# Altium PCB TIK_PCB.PcbDoc (part 1 of 2) (continued)
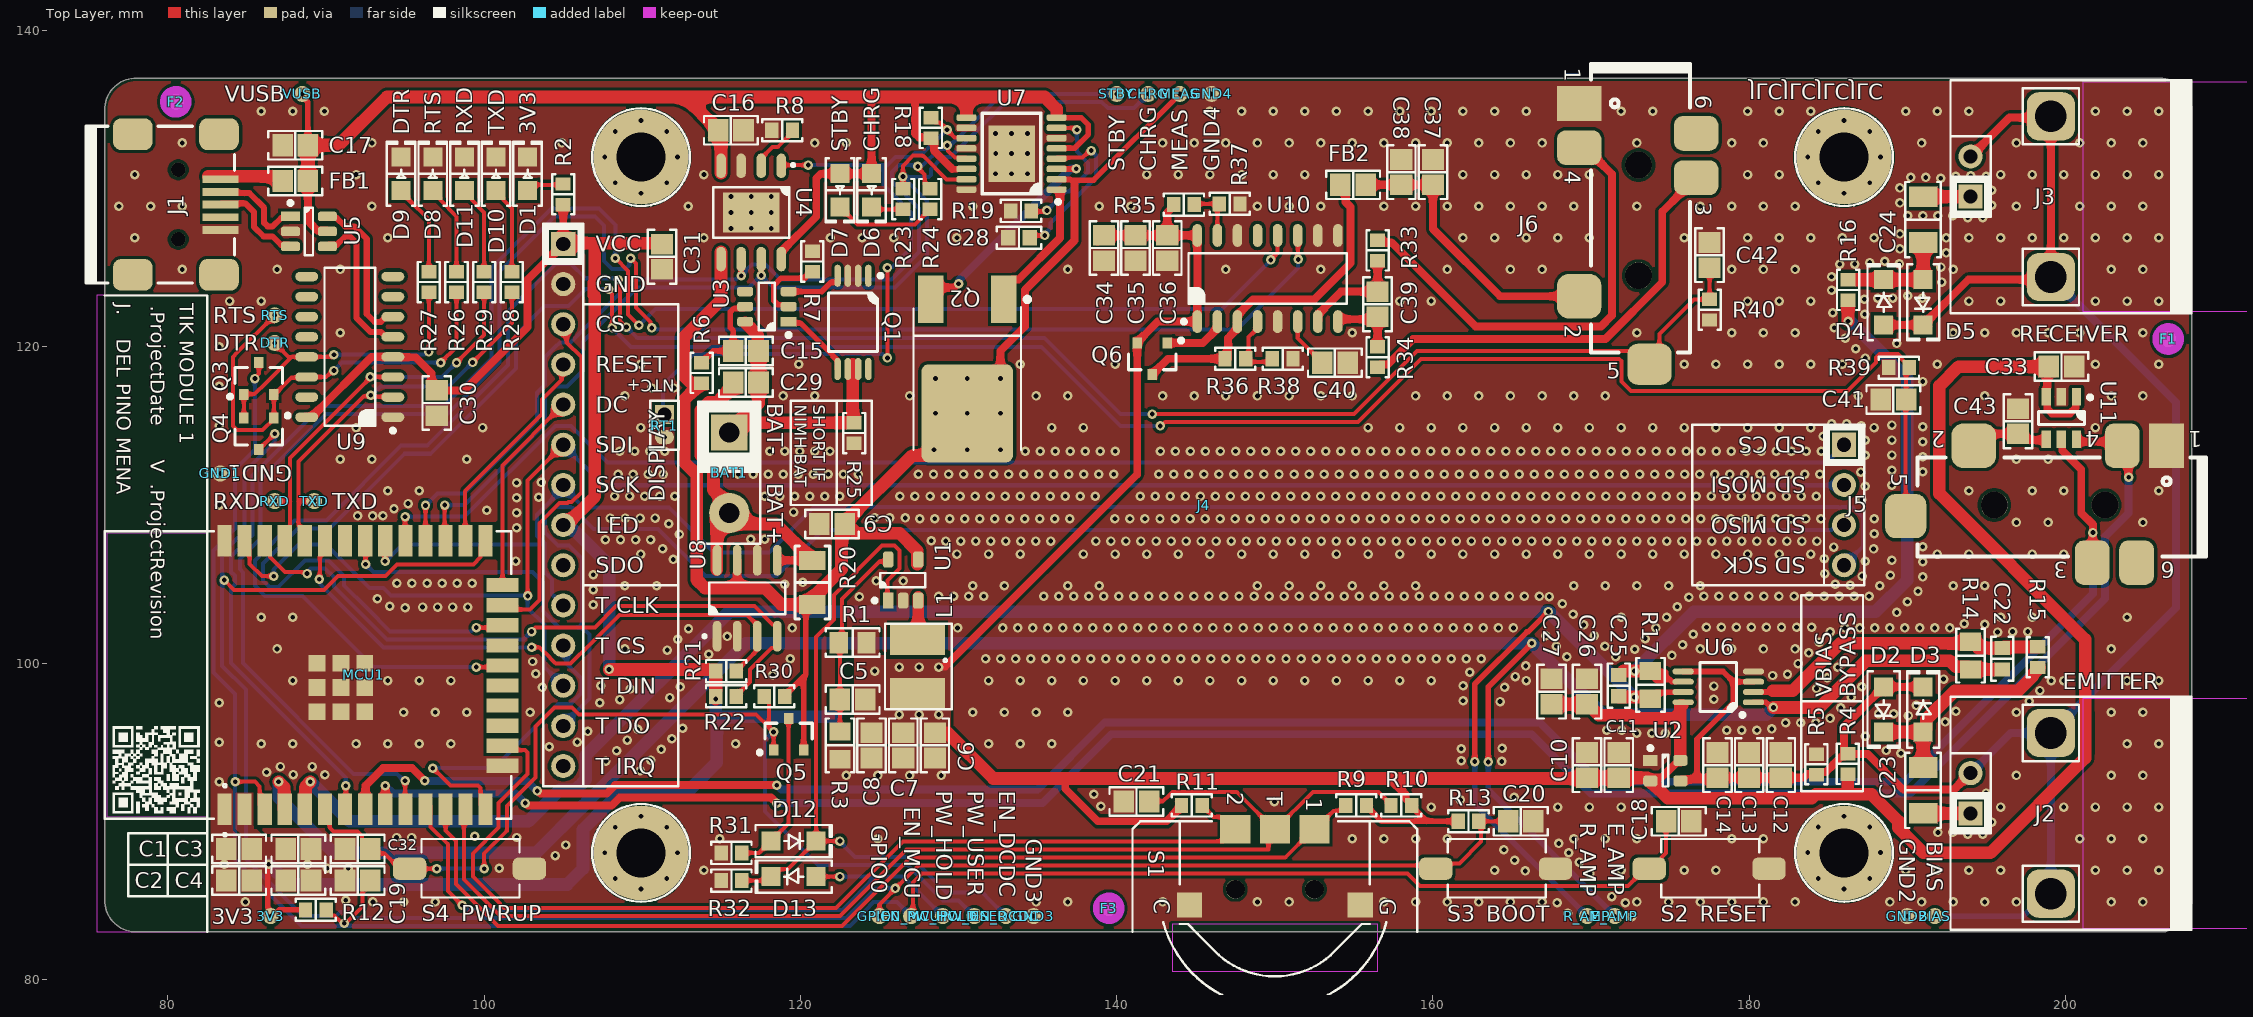
[diagram p0: Top Layer view]
## Components (designator, comment, footprint, x,y, rotation, side; value= is the part's Value field where it differs from the comment) (continued)
TXD "Test Point Pad dual sided" "TEST POINT PAD" 89.25,110.25 r180 top
U1 "AP3429_A" "SOT-23-5 AP3429" 126.5,105.25 r90 top
U2 "IC NCP562SQ18T1G LDO" "SC70-5 LT SC82-AB NCP562" 174.7,93.2 r0 top value="1.8V 80mA"
U3 "DW01A" "SOT-23-6 DW01A" 117.875,122.55 r180 top
U4 "TP4056" "SOIC-8-D0008A TP4056" 116.885,128.5 r270 top
U5 "IC USBLC6-2SC6 ESD Prot" "SOT-23-6L USBLC6-2SC6" 88.918,127.3 r0 top
U6 "IC LMV358DGKR OpAmp" "VSSOP-8 DGK (MSOP-8) LMV358" 178.05,98.5 r180 top
U7 "IC LTC4060EFE Bat NiMH charger" "TSSOP-16 LTC4060EFE" 133.35,132.225 r180 top
U8 "INA219" "SOIC-8-D0008A INA219D" 116.635,104.1 r90 top
U9 "CH340C" "SSOP-16 150mil CH340C" 91.5,120 r180 top
U10 "IC HX711 load cell amp" "SOP-16 L HX711" 149.545,124.325 r90 top
U11 "IC TPD3S014 Current switch" "TSOT-23-6 TPD3S014TDBVRQ1" 199.75,115.5 r270 top
VUSB "Test Point Pad dual sided" "TEST POINT PAD" 88.5,136 r0 top

## Footprints (in the part's own frame and the unit in brackets; to place one, negate y for a bottom-side part, rotate by r counter-clockwise, add the part's x,y. Pads: shape width x height; smd on the part's side, far side on the other; paste and mask are expansions set on the pad)
BATTERY_PADS [mil]
  rect 90x90 hole 50 mask+5: 1(0,0)
  round 100 hole 50 mask+5: 2(200,0)
  silkscreen extent -77,-79 277,77
"BNC RIGHT ANGLE" [mil] "BNC JACK RIGHT ANGLE PCB MOUNT ZINC DIE CAST"
  rect 60x60 hole 35: 1(100,0)
  round 60 hole 35: 2(0,0)
  rrect50% 120x120 hole 79: 3(-100,200) 4(300,200)
  Keep-Out Layer region: -185.05,279.53 385.82,279.53 385.82,1350 -185.05,1350
  silkscreen extent -190,-50 390,550, body extent -184,-47 384,1347, height 515
"BUTTON GENERIC" [mm] "SMD Push Buttom Tact"
  rrect50% 1.4x2.1 smd: 1(3.277,7.62) 2(3.277,0.051)
  silkscreen extent 1.4,0.8 5.1,7, body extent 1.48,-0.11 5.08,7.89, height 2.5
"CAP 0603_1608" [mm] "Chip Capacitor, 2-Leads, Body 1.60x0.80mm, IPC Medium Density"
  rect 0.9x1 smd: 1(-0.675,0) 2(0.675,0)
  silkscreen extent -1.4,-0.7 1.4,0.7, body extent -0.8,-0.41 0.8,0.41, height 0.82
"CAP 0805_2012" [mm] "Chip Capacitor, 2-Leads, Body 2.00x1.20mm, IPC Medium Density"
  rect 1.3x1.4 smd: 1(-0.8,0) 2(0.8,0)
  silkscreen extent -1.7,-0.9 1.7,0.9, body extent -1,-0.64 1,0.64, height 1.26
"CAP 1206_3216" [mm] "Chip Capacitor, 2-Leads, Body 3.25x1.60mm, IPC Medium Density"
  rect 1.3x1.8 smd: 1(-1.45,0) 2(1.45,0)
  silkscreen extent -2.37,-1.12 2.37,1.12, body extent -1.6,-0.8 1.6,0.8, height 1
"DPAK TO-252 MJD210" [mm]
  rect 1.6x3 smd: 1(0,0) 3(4.6,0)
  rrect15% 5.8x6.2 smd: 4(2.3,7.2)
  silkscreen extent -1.65,-0.15 5.7,9.5, body extent -1.07,-0.6 5.67,9.5, height 2.37
"FCI USB Type B Mini 10033526-N3212LF" [mm] "USB 2.0 Type B Mini"
  rect 0.5x2.25 smd: 1(1.6,-3.826) 2(0.8,-3.826) 3(0,-3.826) 4(-0.8,-3.826) 5(-1.6,-3.826)
  round 0.9 hole 0.9 unplated: M(-2.2,-1.151) M(2.2,-1.151)
  rrect50% 2x2.5 smd: SH(-4.45,-3.731) SH(-4.45,1.719) SH(4.45,-3.731) SH(4.45,1.719)
  silkscreen extent -4.95,-4.71 4.95,4.69, body extent -4.95,-4.7 4.95,4.7, height 4.01
"FER 0805_2012" [mm] "Chip Ferrite, 2-Leads, Body 2.00x1.20mm, IPC Medium Density"
  rect 1.3x1.4 smd: 1(-0.8,0) 2(0.8,0)
  silkscreen extent -1.7,-0.9 1.7,0.9, body extent -1,-0.64 1,0.64, height 1.26
FIDUCIAL_1MM_2MM [mm]
  round 1 smd mask+0.5: 1(0,0)
  Top Layer keep-out circle w1: c0,0 r0.5
"ILI9341 2.8\" TFT LCD + SD CARD" [mil]
  rect 60x60 hole 35: 1(0,0) 18(-500,-3188.98)
  round 60 hole 35: 2(-100,0) 3(-200,0) 4(-300,0) 5(-400,0) 6(-500,0) 7(-600,0) 8(-700,0) 9(-800,0) 10(-900,0) 11(-1000,0) 12(-1100,0) 13(-1200,0) 14(-1300,0) 15(-800,-3188.98) 16(-700,-3188.98) 17(-600,-3188.98)
  round 236.22 hole 122.05 paste+0 mask+0: MH1(-1516.14,-193.7) MH2(-1516.14,-3188.98) MH3(216.14,-3188.98) MH4(216.14,-193.7)
  silkscreen extent -1638,-3311 338,52, body extent -1638,-3309 338,73, height 494
"Inductor 4x4mm" [mm] "NR4018T2R2M Taiyo Yuden"
  rect 3.5x2 smd: 1(0,0) 2(0,3.425)
  silkscreen extent -2.17,-1 2.05,4.43, body extent -2.05,-0.25 1.95,3.75, height 1.8
JACK_6_CONN_CUI_DEVICES_SJ-43516-SMT [mm]
  rect 2.2x2.8 smd: 1(0,0)
  rrect50% 2.8x2.8 smd: 2(12.2,0)
  rrect50% 2.2x2.8 smd: 3(4.7,7.4) 4(2.8,0) 6(1.9,7.4)
  rrect50% 2.6x2.8 smd: 5(16.5,4.45)
  round 1.7 hole 1.7 unplated: MH(3.9,3.75) MH(10.9,3.75)
  silkscreen extent -2.5,0.75 15.75,7, body extent -2.3,-0.7 16.9,8.3, height 5.1
"LED 0805_2012 GREEN" [mm] "Chip Diode, 2-Leads, Body 2.00x1.25mm, IPC Medium Density"
  rect 1.2x1.2 smd: 1(-1.05,0) 2(1.05,0)
  silkscreen extent -2.03,-0.9 2.03,0.9, body extent -1,-0.62 1,0.63, height 0.9
"LED 0805_2012 RED" [mm] "Chip Diode, 2-Leads, Body 2.00x1.25mm, IPC Medium Density"
  rect 1.2x1.2 smd: 1(-1.05,0) 2(1.05,0)
  silkscreen extent -2.03,-0.9 2.03,0.9, body extent -1,-0.62 1,0.63, height 0.9
MODULE_ESP32-WROOM-32 [mm]
  rect 2x0.9 smd: 1(0,0.121) 2(0,-1.149) 3(0,-2.419) 4(0,-3.689) 5(0,-4.959) 6(0,-6.229) 7(0,-7.504) 8(0,-8.779) 9(0,-10.049) 10(0,-11.319) 11(0,-12.589) 12(0,-13.859) 13(0,-15.124) 14(0,-16.389) 25(17,-16.389) 26(17,-15.124) 27(17,-13.859) 28(17,-12.589) 29(17,-11.319) 30(17,-10.049) 31(17,-8.779) 32(17,-7.504) 33(17,-6.229) 34(17,-4.959) 35(17,-3.689) 36(17,-2.419) 37(17,-1.149) 38(17,0.121)
  rect 0.9x2 smd: 15(2.756,-17.46) 16(4.026,-17.46) 17(5.296,-17.46) 18(6.566,-17.46) 19(7.836,-17.46) 20(9.101,-17.46) 21(10.371,-17.46) 22(11.646,-17.46) 23(12.916,-17.46) 24(14.186,-17.46)
  rect 1.05x1.05 smd: 39(6.175,-5.725) 39(6.175,-8.755) 39(6.175,-7.244) 39(7.711,-8.755) 39(7.711,-7.244) 39(7.711,-5.725) 39(9.235,-8.755) 39(9.235,-7.244) 39(9.235,-5.725)
  Keep-Out Layer region: 17.5,1.24 -0.5,1.24 -0.5,7.54 17.5,7.54
  Keep-Out Layer region: 17.5,1.24 -0.5,1.24 -0.5,7.54 17.5,7.54
  silkscreen extent -1.7,-18 17.6,7.7, body extent -0.53,-17.89 17.47,7.61, height 2.91
"NTC THT VER" [mm] "NTC Thermistor, 2-Leads, Body 1.60x0.80mm, IPC Medium Density"
  rect 1.2x1.2 hole 0.9 mask+0.127: 1(-0.711,0)
  oval 0.9x1.2 hole 0.3 mask+0.127: 2(0.711,0)
  silkscreen extent -1.6,-0.9 1.5,0.9
"RES 0603_1608" [mm] "Chip Resistor, 2-Leads, Body 1.60x0.80mm, IPC Medium Density"
  rect 0.85x0.95 smd: 1(-0.65,0) 2(0.65,0)
  silkscreen extent -1.27,-0.7 1.27,0.7, body extent -0.8,-0.4 0.8,0.4, height 0.45
"RES 0805_2012" [mm] "Chip Resistor, 2-Leads, Body 2.00x1.25mm, IPC Medium Density"
  rect 1.15x1.35 smd: 1(-0.875,0) 2(0.875,0)
  silkscreen extent -1.7,-0.9 1.7,0.9, body extent -1,-0.62 1,0.63, height 0.6
"RES 1206_3216" [mm] "Chip Resistor, 2-Leads, Body 3.13x1.55mm, IPC Medium Density"
  rect 1.2x1.65 smd: 1(-1.4,0) 2(1.4,0)
  silkscreen extent -2.3,-1.1 2.3,1.1, body extent -1.6,-0.8 1.6,0.8, height 0.6
"SC70-5 LT SC82-AB NCP562" [mm] "SC70, SC82-AB, 4-Leads, Body 2.03x2.10mm, Pitch 0.65mm, IPC Medium Density"
  rect 0.9x0.7 smd: 1(-0.95,0.65)
  rrect50% 0.9x0.7 smd: 2(-0.95,-0.65) 3(0.95,-0.65) 4(0.95,0.65)
  silkscreen extent -1.07,-1 0.18,1.55, body extent -0.92,-1.03 0.93,0.97, height 1.1
"SOD123F 1N4148W" [mm] "SODFL, 2-Leads, Body 1.60x3.50mm, IPC Medium Density"
  rect 1.2x1.2 smd: 1(-1.43,0) 2(1.43,0)
  silkscreen extent -2.41,-1.02 2.41,1.02, body extent -1.75,-0.8 1.75,0.8, height 1.1
"SOIC-8-D0008A INA219D" [mm] "Package SOIC-8, 8-Leades, 4.90 x 3.89 mm Body , Pitch 1.27 mm"
  oval 1.95x0.55 smd: 1(-2.4,1.905) 2(-2.4,0.635) 3(-2.4,-0.635) 4(-2.4,-1.905) 5(2.4,-1.905) 6(2.4,-0.635) 7(2.4,0.635) 8(2.4,1.905)
  silkscreen extent -2.5,-2.4 1,2.8, body extent -3,-2.45 3,2.45, height 1.75
"SOIC-8-D0008A TP4056" [mm] "Package SOIC-8, 8-Leades, 4.90 x 3.89 mm Body , Pitch 1.27 mm"
  oval 1.55x0.6 smd: 1(-2.95,1.905) 2(-2.95,0.635) 3(-2.95,-0.635) 4(-2.95,-1.905) 5(2.95,-1.905) 6(2.95,-0.635) 7(2.95,0.635) 8(2.95,1.905)
  rect 2.54x3.56 smd: 3(0,0)
  silkscreen extent -3.1,-2.4 1.6,2.75, body extent -3,-2.45 3,2.45, height 1.75
"SOP-16 L HX711" [mm] "SOP, 16-Leads, Body 9.90x3.90mm, Pitch 1.27mm, IPC Medium Density"
  oval 1.45x0.6 smd: 1(-2.725,4.445) 2(-2.725,3.175) 3(-2.725,1.905) 4(-2.725,0.635) 5(-2.725,-0.635) 6(-2.725,-1.905) 7(-2.725,-3.175) 8(-2.725,-4.445) 9(2.725,-4.445) 10(2.725,-3.175) 11(2.725,-1.905) 12(2.725,-0.635) 13(2.725,0.635) 14(2.725,1.905) 15(2.725,3.175) 16(2.725,4.445)
  silkscreen extent -2.85,-5 1.6,5.42, body extent -3,-5 3,5, height 1.75
"SOT-23-3 TO-236AB 2N7002" [mm] "SOT23, 3-Leads, Body 2.90x2.40mm, Pitch 0.95mm, IPC Medium Density"
  rect 0.7x0.6 smd: 1(-1,0.95) 2(-1,-0.95) 3(1,0)
  silkscreen extent -1.27,-1.5 0.7,1.95, body extent -1.16,-1.45 1.16,1.45, height 1.5
"SOT-23-3 TO-236AB BC858" [mm] "SOT23, 3-Leads, Body 2.90x2.40mm, Pitch 0.95mm, IPC Medium Density"
  rect 0.7x0.6 smd: 1(-1,0.95) 2(-1,-0.95) 3(1,0)
  silkscreen extent -1.27,-1.5 0.7,1.95, body extent -1.16,-1.45 1.16,1.45, height 1.5
"SOT-23-5 AP3429" [mil] "SOT23, 5-Leads, Body 3.00x2.85mm, Pitch 0.95mm, IPC Medium Density"
  rect 40x26 smd: 1(-51.18,37.4)
  rrect50% 40x26 smd: 2(-51.18,0) 3(-51.18,-37.4) 4(51.18,-37.4) 5(51.18,37.4)
  silkscreen extent -56,-55 18,76, body extent -59,-61 59,61, height 57
"SOT-23-6 DW01A" [mm] "SOT23, 6-Leads, Body 2.90x2.80mm, Pitch 0.95mm, IPC Medium Density"
  rect 1x0.6 smd: 1(-1.375,0.95)
  rrect50% 1x0.6 smd: 2(-1.375,0) 3(-1.375,-0.95) 4(1.375,-0.95) 5(1.375,0) 6(1.375,0.95)
  silkscreen extent -1.5,-1.5 0.5,1.92, body extent -1.41,-1.45 1.41,1.45, height 1.45
"SOT-23-6L USBLC6-2SC6" [mm] "SOT23, 6-Leads, Body 2.90x2.80mm, Pitch 0.95mm, IPC Medium Density"
  rect 1.2x0.6 smd: 1(-1.168,0.95)
  rrect50% 1.2x0.6 smd: 2(-1.168,0) 3(-1.168,-0.95) 4(1.168,-0.95) 5(1.168,0) 6(1.168,0.95)
  silkscreen extent -1.3,-1.5 0.25,1.92, body extent -1.41,-1.45 1.41,1.45, height 1.45
"SSOP-16 150mil CH340C" [mm] "SOP, 16-Leads, Body 9.90x3.90mm, Pitch 1.27mm, IPC Medium Density"
  oval 1.45x0.6 smd: 1(-2.725,4.445) 2(-2.725,3.175) 3(-2.725,1.905) 4(-2.725,0.635) 5(-2.725,-0.635) 6(-2.725,-1.905) 7(-2.725,-3.175) 8(-2.725,-4.445) 9(2.725,-4.445) 10(2.725,-3.175) 11(2.725,-1.905) 12(2.725,-0.635) 13(2.725,0.635) 14(2.725,1.905) 15(2.725,3.175) 16(2.725,4.445)
  silkscreen extent -2.85,-5 1.6,5.42, body extent -3,-5 3,5, height 1.75
"SWITCH THUMB MULTIDIRECTION K1-1502SA-01" [mm] "SWITCH THUMB MULTIDIRECTION K1-1502SA-01"
  rect 1.8x1.9 smd: 1(0,2.5) 2(0,-2.5) T(0,0)
  rect 1.6x1.6 smd: C(4.8,-5.4) G(4.8,5.4)
  round 1.2 hole 1.2 unplated: MHSW1(3.8,2.5) MHSW2(3.8,-2.5)
  silkscreen extent -0.5,-7.05 11.3,7.05, body extent -0.5,-8.7 11.34,8.75, height 3.05
"TEST POINT PAD" [mil]
  round 40 hole 11.8: 1(0,0)
"TSOT-23-6 TPD3S014TDBVRQ1" [mm] "TSOT23, 6-Leads, Body 2.90x2.80mm, Pitch 0.95mm, IPC High Density"
  rrect1% 1.1x0.6 smd: 1(-1.35,0.95) 2(-1.35,0) 3(-1.35,-0.95) 4(1.35,-0.95) 5(1.35,0) 6(1.35,0.95)
  silkscreen extent -1.43,-1.45 0.4,1.94, body extent -1.4,-1.45 1.4,1.45, height 1.1
"TSSOP-8 FS8205A" [mm] "TSSOP, 8-Leads, Body 3.00x4.40mm, Pitch 0.65mm, IPC Medium Density"
  oval 1.4x0.406 smd: 1(-2.95,0.975) 2(-2.95,0.325) 3(-2.95,-0.325) 4(-2.95,-0.975) 5(2.95,-0.975) 6(2.95,-0.325) 7(2.95,0.325) 8(2.95,0.975)
  silkscreen extent -3.07,-1.55 1.85,1.88, body extent -3.21,-1.5 3.21,1.5, height 1.2
"TSSOP-16 LTC4060EFE" [mm] "TSOP, 16-Leads, Body 5.00x4.40mm, Pitch 0.65mm, Thermal Pad"
  rrect50% 1.25x0.41 smd: 1(-2.85,2.275) 2(-2.85,1.625) 3(-2.85,0.975) 4(-2.85,0.325) 5(-2.85,-0.325) 6(-2.85,-0.975) 7(-2.85,-1.625) 8(-2.85,-2.275) 9(2.85,-2.275) 10(2.85,-1.625) 11(2.85,-0.975) 12(2.85,-0.325) 13(2.85,0.325) 14(2.85,0.975) 15(2.85,1.625) 16(2.85,2.275)
  rect 2.94x3.58 smd: 16(0,0)
  silkscreen extent -3.08,-2.65 1.95,3.17, body extent -3.2,-2.5 3.2,2.5, height 1.2
"VSSOP-8 DGK (MSOP-8) LMV358" [mm] "TSOP, 8-Leads, Body 3.00x3.00mm, Pitch 0.65mm, IPC Medium Density"
  oval 1.35x0.375 smd: 1(-2.225,0.975) 2(-2.225,0.325) 3(-2.225,-0.325) 4(-2.225,-0.975) 5(2.225,-0.975) 6(2.225,-0.325) 7(2.225,0.325) 8(2.225,0.975)
  silkscreen extent -1.65,-1.55 1.15,1.9, body extent -2.45,-1.5 2.45,1.5, height 1.1

## Part data
3V3 BIAS CHRG DTR E_AMP EN_DCDC EN_MCU GND1 GND2 GND3 GND4 GPIO0 MEAS PW_HOLD PW_USER R_AMP RTS RXD STBY TXD VUSB: "Test point - PCB Pad dual sided"
BAT1: "Generic 2-Pad battery connector"
C1 C14 C34: library part Cap_cer_0805_47pF_5%, "Ceramic cap size 0805", Tolerance="5% 10V", PackageDescription=0805
  C1: FabGroup=Microcontroller, FabOrder=1
  C14: FabGroup="LDO Regulator & LDO bypass", FabOrder=12
C2 C8 C13 C15 C17 C18 C20 C21 C27 C30 C31 C32 C33 C35 C37 C39 C40 C41 C42: library part Cap_cer_0805_100nF_10%, "Ceramic cap size 0805", Tolerance="10% 25V", PackageDescription=0805
  C2: FabGroup=Microcontroller, FabOrder=1
  C8: FabGroup="DCDC converter", FabOrder=2
  C13: FabGroup="LDO Regulator & LDO bypass", FabOrder=12
  C15: FabGroup="Charger for Li-Ion", FabOrder=4
  C17: FabGroup="USB Port", FabOrder=2
  C18: FabGroup="Buttons - Reset", FabOrder=11
  C20: FabGroup="Buttons - Boot", FabOrder=10
  C21: FabGroup="Buttons - Multipurpose", FabOrder=9
  C27: FabGroup="Signal conditioning", FabOrder=13
  C30: FabGroup="USB to UART & Programming", FabOrder=3
  C31: FabGroup="LCD TFT Display", FabOrder=15
  C32: FabGroup="Buttons - Powerup button", FabOrder=3
C3 C16 C26 C29 C36 C38: library part Cap_cer_0805_10uF_10%, "Ceramic cap size 0805", Tolerance="10% 25V", PackageDescription=0805
  C3: FabGroup=Microcontroller, FabOrder=1
  C16: FabGroup="Charger for Li-Ion", FabOrder=4
  C26: FabGroup="Signal conditioning", FabOrder=13
  C29: FabGroup=Battery, FabOrder=7
C4 C6 C7 C9 C12 C43: library part Cap_cer_0805_22uF_20%, "Ceramic cap size 0805 CC0805MKX5R6BB226 Yageo MLCC 22uF 10V 20% X5R", Tolerance="20% 10V", PackageDescription=0805
  C6 C7 C9: FabGroup="DCDC converter", FabOrder=2
  C12: FabGroup="LDO Regulator & LDO bypass", FabOrder=12
C5: library part Cap_cer_0805_27pF_5%, "Ceramic cap size 0805", Tolerance="5% 10V", FabGroup="DCDC converter", FabOrder=2, PackageDescription=0805
C10 C11 C19: library part Cap_cer_0805_1uF_10%, "Ceramic cap size 0805", Tolerance="10% 25V", PackageDescription=0805
  C10 C11: FabGroup="LDO Regulator & LDO bypass", FabOrder=12
  C19: FabGroup="Buttons - Reset", FabOrder=11
C22 C25 C28: "Ceramic cap size 0805", Tolerance="5% 10V"
  C22: PackageDescription=0603
  C25: PackageDescription=0805
  C28: FabGroup="Charger for Ni-MH", FabOrder=6, PackageDescription=0603
C23 C24: library part Cap_cer_1206_100nF_100V_10%, "Ceramic cap size 1206 C1206C104K1RACTU", Tolerance="10% 100V", PackageDescription=1206, Type=X7R
D1 D6 D8 D10: "Low power LED color Green", PackageDescription=0805, Type=GREEN
  D1: FabGroup="DCDC converter", FabOrder=2
  D6: FabGroup="Charging status", FabOrder=5
  D8 D10: FabGroup="USB to UART & Programming", FabOrder=3
D2 D3 D4 D5 D12 D13: "SURFACE MOUNT FAST SWITCHING DIODE", ForwardVoltage=Vt=0.7V, ReverseVoltage=Vr=100V, PackageDescription=SOD123, Part=1N4148W, Type="Rectifier, General purpose"
  D2 D3 D4 D5: FabGroup="Signal conditioning", FabOrder=13
  D12 D13: FabGroup="Buttons - Powerup button", FabOrder=3
D7 D9 D11: "Low power LED color Red", PackageDescription=0805, Type=RED
  D7: FabGroup="Charging status", FabOrder=5
  D9 D11: FabGroup="USB to UART & Programming", FabOrder=3
F1 F2 F3: "Fiducial 1mm pad, 2mm solder resist"
FB1 FB2: "0805, 60Ω, 3A, 25% SMT", Desc="60R @ 100MHz", PackageDescription=0805, Part=2508056007Y3
J1: library part "CON USB-MINI-B Female", "USB-MINI-B Female, Manufacturer PN/ID: 10033526-N3212LF", FabGroup="USB Port", FabOrder=2, PackageDescription="USB-Mini-B, F", Part=10033526-N3212LF
J2 J3: library part "CON BNC Female Socket", "BNC coaxial female connector", Type="BNC Female right angle"
J4: library part "MOD ILI9341 TFT LCD + SD CARD READER", "ILI9341 TFT LCD Jumper pin headers., plus SD card reader pins", FabGroup="LCD TFT Display", FabOrder=15, PackageDescription="100 mil pitch", Part="ILI9341 TFT LCD & SD card reader", Type="PCB Pin headers: F, 1x14 & 1x4"
J5 J6: "3.5mm Jack 4-pole with normally closed switches", Part="CUI devices SJ-43516-SMT"
  J5: Desc="3.5mm Jack 4-pole with normally closed switches"
  J6: PackageDescription="3.5mm Jack 4-pole with normally closed switches"
L1: "Shielded Power Inductor 2.2 uH 20% 2.2 A 50.4 mohms 3.11 A (sat) 60MHz  / 4018: 4x4x1.8mm", Tolerance="20% 2.2A", FabGroup="DCDC converter", FabOrder=2, PackageDescription=4x4x1.8mm, Part=NR4018T2R2M
MCU1: "- Transceiver; 802.11 b/g/n _Wi-Fi, WiFi, WLAN_, Bluetooth Smart Ready 4.x Dual Mode For Use With ESP-WROOM-32", Package=None, Availability=Unavailable, FabGroup=Microcontroller, FabOrder=1, MF="Espressif Systems", MP=ESP32-WROOM-32D, Part=ESP32-WROOM-32D, Price=None, SnapEDA_Link=https://www.snapeda.com/parts/ESP32-DEVKITC-32D/Espressif%20Systems/view-part/2777395/?ref=snap
Q1: library part "IC FS8205A Dual NMOS", "Dual N-channel Enhancement mode power MOSFET", ComponentLink1Description="New link", FabGroup="Charger for Li-Ion", FabOrder=4, PackageDescription=TSSOP-8, Part=FS825A, Type="Dual NMOS"
Q2: "MJD210 PNP BJT transistor DPAK (decawatt) 5A dc", PackageDescription="DPAK (TO-252)", Part=MJD210, Type=PNP
Q6: "65 V, 100 mA PNP general-purpose transistor", PackageDescription=SOT23, Part=BC858, Type=PNP
R1: "Res size 0805 SMD mounting, low power / Yageo-RC0805FR-07150KL", PowerDisipated=1/8W, Tolerance=1%, PackageDescription=0805
R2 R6 R7 R9 R10 R11 R12 R13 R15 R16 R23 R24 R26 R27 R28 R29 R30 R31 R32 R33 R34 R35 R36 R37 R38 R39 R40: "Res size 0603 SMD mounting, low power", PowerDisipated=100mW, Tolerance=5%, PackageDescription=0603
R3: "Res size 0805 SMD mounting, low power", PowerDisipated=1/8W, Tolerance=1%, PackageDescription=0805
R4 R5 R25: "Res size 0603 SMD mounting, zero-ohm 0R Yageo RC0603JR-070RL", PowerDisipated=100mW, Tolerance=5%, PackageDescription=0603
  R4 R5: FabGroup="LDO Regulator & LDO bypass", FabOrder=12
  R25: FabGroup=Battery, FabOrder=7
R8 R18 R19 R21 R22: "Res size 0603 SMD mounting, low power", PowerDisipated=100mW, Tolerance=1%, PackageDescription=0603
R14 R17: library part Res_0805_1M_1%, "Res size 0805 SMD mounting, low power. / Yageo-RC0805FR-071ML", PowerDisipated=1/8W, Tolerance=1%, PackageDescription=0805
R20: library part Res_1206_0R2_1%_500mW, "Res size 1206 SMD mounting, high power, shunt, current sense.", PowerDisipated=0.5W, Tolerance=1%, PackageDescription=1206
RT1: "NTC THERMISTOR 10K for solding a cable from the battery NTC", PackageDescription=0603
S2 S3 S4: "Generic 2 pin button", PackageDescription="SMD 2-pin"
  S2: FabGroup="Buttons - Reset", FabOrder=11
  S3: FabGroup="Buttons - Boot", FabOrder=10
  S4: FabGroup="Buttons - Powerup button", FabOrder=3
U1: library part "IC AP3429_A dcdc buck", "1.0MHZ, 2A STEP-DOWN DC-DC BUCK CONVERTER", FabGroup="DCDC converter", FabOrder=2, PackageDescription=TSOT-25, Part=AP3429_A, Type="DCDC Buck"
U2: "Fixed output lowdropout linear regulator. / 1.8 V 80 mA", PackageDescription="SC82−AB (SC70−4)", Part=NCP562SQ18T1G, Type=LDO
U3: library part "IC DW01A bat protection", "DW01A One cell Li-Po/Li-ion Battery protection IC", FabGroup="Charger for Li-Ion", FabOrder=4, PackageDescription=SOT-23-6, Part=DW01A, Type="Bat protection"
U4: library part "IC TP4056 BAT Charger", "1A Standalone Linear Li-lon Battery Charger with Thermal Regulation in SOP-8", FabGroup="Charger for Li-Ion", FabOrder=4, PackageDescription=SOP-8, Part=TP4056, Type="Li-Ion charger"
U5: "Very low capacitance ESD protection", FabGroup="USB Port", FabOrder=2, PackageDescription=SOT23-6L, Part=USBLC6-2SC6, Type="ESD Protection"
U6: "LMV358-DGK-R Dual OpAmp; low voltage rail to rail opamp; 2.7V to 5V Vss; ESD protection; MSOP-8 Package.", FabGroup="Signal conditioning", FabOrder=13, PackageDescription=MSOP-8, Part=LMV358DGKR, Type="Dual OpAmp"
U7: "LTC4060EFE", FabGroup="Charger for Ni-MH", FabOrder=6, PackageDescription=TSSOP-16, Part=LTC4060EFE
U8: library part "IC INA219 current sense", "Zero-Drift, Bi-Directional CURRENT/POWER MONITOR with I2C. SOIC-8 (D) Package", FabGroup="Battery current sense", FabOrder=8, PackageDescription=SOIC-8, Part=INA219, Type="Current sense"
U9: library part "IC CH340C usb to ttl", "USB to serial chip CH340C, integrated oscillator.", FabGroup="USB to UART & Programming", FabOrder=3, PackageDescription=SOP-16, Part=CH340C, Type="USB to UART"
U10: "HX711 load cell amplifier", Desc="Load cell amp", PackageDescription="SOP 16 L", Part=HX711
U11: "TPD3S014TDBVRQ1 ESD prot. & current limit", Desc="ESD prot. & current limit", PackageDescription=SOT-23-6, Part=TPD3S014TDBVRQ1
Q3 Q4: FabGroup="USB to UART & Programming", FabOrder=3, PackageDescription=SOT23, Part=2N7002, Type=N-Ch
Q5: FabGroup="Buttons - Powerup button", FabOrder=3, PackageDescription=SOT23, Part=BSS84AK, Type=P-Ch
S1: FabGroup="Buttons - Multipurpose", FabOrder=9, Part=K1-1502SA, Type="Thumb Switch"

## Via types
v1: diameter 0.6, hole 0.3, Top Layer to Bottom Layer, tented both sides, 1290 vias
v2: diameter 0.5, hole 0.3, Top Layer to Bottom Layer, tented both sides, 18 vias

## Nets (pads, with @x,y where several pads share a name; then routed paths per layer and width w, separated by ;. In a path a pad name is that pad's centre, name@x,y a point inside that pad or via, vN(x,y) a via of type N, cw(c..) or ccw(c..) an arc to the next point about the centre after c; other vN are vias at no path point)
3V3: 3V3.1 C1.2 C2.2 C3.2 C4.2 C5.2 C6.2 C7.2 C8.2 C10.2 C11.2 C26.2 C27.2 C30.2 C31.2 C33.2 C34.2 C35.2 C36.2 J4.1 J4.8 L1.2 MCU1.2 Q6.2 R1.2 R2.2 R4.2 R9.2 R10.2 R11.2 R12.2 R13.2 R21.2 R22.2 R35.2 U2.2 U2.4 U6.8 U9.4 U9.16 U10.1 U10.16 U11.1 U11.3 | length 320.9
  Top Layer w0.35: v1(86.378,87.28) 86.312,87.215 86.312,84.565 86.5,84.34 86.5,84.189 86.54,84.149 86.787,84.149 87.038,84.4 R12.2@88.7,84.4 ; 3V3.1@86.5,84 3V3.1@86.594,84.094 ; C4.2@87.45,86.25 C4.2@87.475,86.225 ; R9.2@155.8,91 155.8,90.95 156.75,90 159.6,90 ; R10.2@158.65,90.95 159.6,90 ; R13.2@161.75,90 159.6,90
  Top Layer w0.5: U9.16@88.775,115.555 89.173,115.555 89.219,115.601 89.219,115.707 92.877,119.365 U9.4@94.225,119.365 94.244,119.346 95.654,119.346 96.67,118.33 96.67,117.58 C30.2@97,117.25 ; C30.2@97.187,117.25 98.75,117.25 102.75,121.25 102.75,124.26 J4.1@105,126.51 R2.2@105,129 ; C6.2@128.5,95.6 129.3,95.6 ; v1(128.75,99.75) 128.769,99.769 129.132,99.769 141.3,111.937 Q6.2@141.3,120.25 141.3,120.3 142.6,121.6 145.054,121.6 U10.1@145.1,121.6 U10.16@145.1,127.05 C36.2@143.2,127.05 ; 136.75,92.5 136.75,92.059 138.809,90 143.15,90 144.1,90.95 R11.2@144.1,91 ; C34.2@138.8,126.65 C34.2@139.2,127.05 C35.2@141.2,127.05 C36.2@143.2,127.05 ; R35.2@143.7,129.05 143.7,129 143.2,128.5 C36.2@143.2,127.05 ; 157.263,92.7 158.279,91.684 158.279,91.421 158.65,91.05 R10.2@158.65,91 R10.2@158.65,90.95 ; U2.2@173.55,92.75 174.439,92.75 175.093,93.404 175.104,93.404 175.55,93.85 U2.4@175.65,93.85 ; C33.2@198.95,118.75 198.85,118.65 198.85,116.9 U11.3@198.8,116.85 198.85,116.8 198.85,116.089 199.143,115.796 200.296,115.796 200.65,116.15 200.65,116.8 U11.1@200.7,116.85
  Top Layer w0.8: J4.8@105,108.73 105.181,108.73 107,110.549 107,123.193 106.929,123.264 106.929,124.055 107,124.126 107,126.561 ; J4.1@105,126.51 105.051,126.561 107,126.561 ; v1(107.9,99.6) 114.216,99.6 114.241,99.575 114.625,99.575 114.65,99.55 v1(114.65,97.725) ; C31.2@111.25,126.5 111.189,126.561 108.692,126.561 108.687,126.566 107.897,126.566 107.891,126.561 107,126.561 ; 129.3,95.6 132.2,92.7 157.263,92.7 169.65,92.7 C10.2@169.7,92.75 ; C27.2@167.5,97.4 169.8,97.4 170.493,96.707 172.502,96.707 172.687,96.521 175.271,96.521 175.65,96.9 ; C10.2@169.75,92.75 C11.2@171.75,92.75 173.55,92.75 U2.2@173.75,92.55 174.854,91.446 183.946,91.446 184.2,91.7 186.237,91.7 ; U2.4@175.65,93.85 175.65,96.9 ; 175.775,97.334 175.671,97.334 175.65,97.313 175.65,96.9 ; R4.2@186.237,92.975 186.237,91.7 ; C33.2@198.95,118.75 193.25,118.75 192.031,117.531 192.031,110.719 201.25,101.5 201.25,96.937 201.258,96.929 201.258,94.231 201.25,94.223 201.25,94 195.25,88 191.025,88 189.829,89.196 189.446,89.579 189.446,89.995 187.741,91.7 186.237,91.7
  Bottom Layer w0.8: v1(86.378,87.28) 87.658,86 105.25,86 106.25,87 106.25,89.475 107.105,90.33 cw(c109.92,88) 107.59,90.815 108.525,91.75 112.75,91.75 114.7,93.7 114.7,96.6 ; J4.8@105,108.73 105.196,108.73 105.558,108.368 105.732,108.368 107.9,106.2 v1(107.9,99.6) ; v1(114.65,97.725) 114.65,96.65 114.7,96.6 ; 122.25,96.6 114.7,96.6
  other v1: 126.25,96.75 127.5,96.75 128.75,96.75 124.7,99.5 126.25,99.75 127.5,99.75
3V3_EXP: C43.2 J5.2 U11.4 | length 5.1
  Top Layer w0.5: J5.2@194.2,113.75 194.95,114.5 C43.2@197,114.5 197.391,114.109 198.759,114.109 U11.4@198.8,114.15
A+: J6.3 R34.1 | length 27.8
  Top Layer w0.5: R34.1@156.5,118.7 156.675,118.875 157.125,118.875 158.75,120.5 170.915,120.5 174.5,124.085 174.5,128.55 175.685,129.735 175.685,129.873 176.512,130.7 J6.3@176.65,130.7
A-: J6.4 R33.1 | length 29.1
  Top Layer w0.5: R33.1@156.5,126.75 156.675,126.575 157.425,126.575 162.704,121.296 170.631,121.296 171.316,121.98 171.316,130.933 169.648,132.6 J6.4@169.25,132.6
AVDD: FB2.2 Q6.3 R36.2 U10.3 | length 22
  Top Layer w0.5: Q6.3@142.25,118.25 142.25,118.3 142.3,118.35 142.35,118.35 143.25,119.25 R36.2@146.85,119.25 147.05,119.25 147.05,120.558 147.64,121.148 U10.3@147.64,121.6 147.64,122.025 148.615,123 152.5,123 154.794,125.294 154.794,128.85 154.477,129.167 154.477,129.923 FB2.2@154.15,130.25
BAT+: BAT1.2 C29.2 R20.1 U8.5 U8.8 | length 23
  Top Layer w0.35: U8.8@114.638,105.762 114.73,105.854 U8.8@114.73,106.5
  Top Layer w0.5: U8.5@118.54,106.5 R20.1@120.75,106.5
  Top Layer w0.8: U8.8@114.715,105.91 114.715,108.8 118.45,108.8 120.325,106.925 120.325,106.7 120.525,106.5 R20.1@120.75,106.5 ; BAT1.2@115.5,109.5 115.5,109.971 114.5,110.971 114.5,112.369 113.703,113.166 113.703,115.994 114.209,116.5 114.75,116.5 115.5,117.25 115.5,117.45 115.55,117.5 C29.2@115.75,117.5
BAT-: BAT1.1 C15.1 C29.1 Q1.6 Q1.7 R25.2 U3.6 | length 19
  Top Layer w0.8: BAT1.1@115.5,114.58 BAT1.1@116.12,115.2 ; U3.6@116.52,121.52 116.84,121.2 116.831,121.2 117.3,120.731 117.3,119.8 C15.1@117.35,119.75 C29.1@117.35,117.75 117.35,116.43 116.425,115.505 BAT1.1@116.12,115.2 ; 123.3,118.9 123.3,118.6 123.3,115.25 123.325,115.225 123.325,115.2 BAT1.1@116.12,115.2
BAT_CHRG: CHRG.1 MCU1.27 R23.1 U4.7 U7.15 | length 73.3
  Top Layer w0.254: v1(97.5,110) 97.5,107.809 MCU1.27@97.559,107.75 ; v1(117.52,124.515) U4.7@117.52,125.55 ; R23.1@126.5,130 126.482,130.018 v1(126.482,130.768) 126.486,130.773 126.486,131.449 127.132,132.095 127.696,132.095 127.71,132.081 127.772,132.081 129.253,130.6 U7.15@130.5,130.6
  Bottom Layer w0.254: v1(97.5,110) 98.75,110 103.857,115.107 103.857,116.823 104.527,117.493 105.243,117.493 106.25,118.5 106.25,120.334 108.977,123.061 108.992,123.061 109.673,123.742 116.747,123.742 v1(117.52,124.515) 118.293,123.742 125.992,123.742 128.016,125.766 128.016,129.234 v1@126.466,130.784 ; v1@126.517,130.733 128.101,130.733 128.25,130.882 128.25,131.25 129,132 129.5,132 130.758,133.258 132.992,135.492 139.051,135.492 139.443,135.1 141.1,135.1 CHRG.1@142,136
BAT_STBY: MCU1.28 R24.1 STBY.1 U4.6 U7.13 | length 69.7
  Top Layer w0.254: MCU1.28@96.289,107.75 v1(96.29,109.97) ; v1(116.25,124.5) U4.6@116.25,125.55 ; v1(127.414,131.414) 127.414,131.327 127.852,130.889 127.852,130.298 128.15,130 R24.1@128.2,130 ; v1(129.279,132.742) 129.345,132.676 129.345,132.396 129.777,131.964 130.436,131.964 U7.13@130.5,131.9
  Bottom Layer w0.254: v1(96.29,109.97) 97.036,110.716 98.716,110.716 103.349,115.349 103.349,117.102 103.857,117.61 103.857,119.363 104.508,120.014 104.781,120.287 105.473,120.287 108.755,123.569 108.782,123.569 109.181,123.968 109.181,123.995 109.436,124.25 115.928,124.25 116.178,124.5 v1(116.25,124.5) 116.946,125.196 117.804,125.196 118.75,124.25 125.75,124.25 127.508,126.008 127.508,128.742 125.801,130.449 125.801,131.051 126.242,131.492 v1@127.4,131.492 ; v1(127.414,131.414) 127.466,131.466 127.725,131.466 127.751,131.492 ; 127.758,131.492 128.782,132.516 129.298,132.516 v1@129.332,132.55 ; v1(129.279,132.742) v1@129.388,132.633 ; v1@129.319,132.564 130.25,133.495 130.25,133.5 132.75,136 STBY.1@140,136
D\T\R\: DTR.1 Q3.1 Q4.2 R27.2 U9.13 | length 19.6
  Top Layer w0.254: Q3.1@84.75,117.164 84.896,117.018 85.481,117.018 86.192,117.729 87.828,119.365 ; Q4.2@84.8,115.5 Q3.1@84.8,117 ; DTR.1@86.75,120.25 87.635,119.365 87.828,119.365 ; v1(90.5,119.5) 90.406,119.5 90.271,119.365 U9.13@88.775,119.365 87.828,119.365 ; v1(96.5,119.681) R27.2@96.5,123.45
  Bottom Layer w0.254: v1(90.5,119.5) 90.508,119.508 96.233,119.508 96.406,119.681 v1(96.5,119.681)
DRIVE: Q2.1 U7.1 | length 8.6
  Top Layer w0.5: Q2.1@132.85,123 132.85,123.7 133.4,124.25 133.784,124.25 136.42,126.886 U7.1@136.42,129.885
E+: C37.2 C38.2 FB2.1 J6.2 | length 18.1
  Top Layer w0.5: FB2.1@155.75,130.25 C38.2@158,130.25 C37.2@160,130.25 160,127.45 164.25,123.2 J6.2@169.25,123.2
EMITTER_AMP: C22.2 E_AMP.1 MCU1.4 R14.2 U6.1 | length 145.5
  Top Layer w0.35: v1(163.5,93.75) 163.5,98.5 v1(166.25,101.25) ; U6.1@180.275,97.525 180.28,97.52 181.057,97.52 181.382,97.196 v1(181.533,97.196)
  Top Layer w0.8: v1(87,92.5) 87.339,92.161 87.339,90.8 MCU1.4@87.389,90.75 ; v1(181.533,97.196) 184.437,97.196 187.392,100.152 192.689,100.152 193.066,99.775 193.825,99.775 R14.2@194,99.6 C22.2@196,99.6
  Bottom Layer w0.35: v1(163.5,93.75) 163.5,92 E_AMP.1@171.5,84
  Bottom Layer w0.8: v1(87,92.5) 87,91.5 90.5,88 103.285,88 106.327,91.043 cw(c109.92,88) 106.877,91.593 116.535,101.25 v1(166.25,101.25) 170.775,96.725 181.062,96.725 v1(181.533,97.196)
EMITTER_IN: C23.2 D2.2 D3.1 R15.1 | length 13.9
  Top Layer w0.8: D2.2@188.7,95.64 190.8,95.64 190.94,95.5 191,95.5 C23.2@191,93.4 ; D3.1@191,95.64 191.2,95.84 191.2,96.45 193,98.25 197,98.25 197.975,99.225 197.975,99.325 R15.1@198.375,99.725
ENABLE_DCDC: D12.2 D13.2 EN_DCDC.1 R32.2 U1.1 | length 45.3
  Top Layer w0.254: R32.2@116.29,86.25 117.89,86.25 D13.2@118.14,86.5 118.613,86.973 119.223,86.973 D12.2@121,88.75 ; v1(122.5,88.75) D12.2@121,88.75 ; U1.1@125.55,103.95 125.502,103.998 125.502,105.222 126.261,105.981 126.261,107.119 125.941,107.439 125.159,107.439 123.557,105.838 123.557,105.756 122.11,104.308 122.11,102.774 121,101.664 D12.2@121,88.75
  Bottom Layer w0.254: v1@122.453,88.75 v1(122.5,88.75) 122.5,88.703 123.453,87.75 127,87.75 129.25,85.5 131.5,85.5 132,85 EN_DCDC.1@133.258,83.742
ENABLE_MCU: C18.2 C19.2 EN_MCU.1 MCU1.3 Q3.3 R12.1 S2.2 | length 140.7
  Top Layer w0.254: v1(84.25,92.5) 85.5,92.5 85.796,92.204 85.796,91.073 MCU1.3@86.119,90.75 ; v1(85.5,118) 85.5,118.059 85.75,118.309 Q3.3@85.75,119 ; R12.1@90,84.4 90,84.35 90.298,84.052 90.519,84.052 90.95,83.62 91.089,83.62 v1(91.155,83.554) 91.249,83.554 92.305,84.61 92.305,85.677 92.478,85.85 93.15,85.85 C19.2@93.15,86.077 ; EN_MCU.1@127,84 127.125,84.125 127.125,86.125 127.695,86.695 158.402,86.695 159.178,85.919 172.35,85.919 173.431,87 173.91,87 174.466,87.556 174.466,87.716 174.75,88 C18.2@174.75,90
  Bottom Layer w0.254: v1(85.5,118) 85.5,113.5 84.25,112.25 84.25,108.5 82.881,107.131 82.881,99.406 84.25,98.037 v1(84.25,92.5) 84.25,87.585 88.454,83.381 v1@91.153,83.381 ; v1(91.155,83.554) 91.153,83.552 v1@91.153,83.381 ; EN_MCU.1@127,84 126.111,84.889 124.632,84.889 124.111,84.368 124.111,84.361 123.131,83.381 v1@91.153,83.381
ESD_D_N: U5.6 U9.6 | length 9.8
  Top Layer w0.381: U5.6@90.087,128.25 90.196,128.141 90.687,128.141 91.21,127.617 91.789,127.617 92.574,126.832 92.574,122.078 93.065,121.587 93.467,121.587 93.785,121.905 U9.6@94.225,121.905
ESD_D_P: U5.4 U9.5 | length 9.8
  Top Layer w0.381: U5.4@90.087,126.35 90.196,126.46 90.687,126.46 91.21,126.982 91.526,126.982 91.939,126.569 91.939,121.815 92.802,120.952 93.467,120.952 93.785,120.635 U9.5@94.225,120.635
EXP_PORT_1: J5.3 MCU1.8 U11.5 | length 133
  Top Layer w0.5: MCU1.8@92.479,90.75 92.5,90.771 92.5,92.25 93.608,93.358 95.446,93.358 v1(96.25,92.554) ; v1(103.359,91.915) 103.386,91.915 103.551,91.75 107.75,91.75 108.283,92.283 v1(118.5,92.283) ; U11.5@199.75,114.15 199.8,114.1 199.8,113.45 201,112.25 201,109.5 201.737,108.763 v1(201.737,108.254) 201.719,108.236 201.719,106.369 J5.3@201.7,106.35
  Bottom Layer w0.5: v1(96.25,92.554) 102.693,92.554 103.332,91.915 v1(103.359,91.915) ; v1(118.5,92.283) 118.527,92.283 118.81,92 135,92 139.254,96.254 166.746,96.254 170.5,92.5 189.858,92.5 201.746,104.388 201.746,108.246 v1(201.737,108.254)
EXP_PORT_2: J5.4 MCU1.9 U11.6 | length 133.2
  Top Layer w0.5: MCU1.9@93.75,90.75 v1(93.75,92.25) ; v1(102.597,91.153) 102.624,91.153 102.781,90.996 108.062,90.996 108.57,91.504 111.246,91.504 111.25,91.5 118.146,91.5 v1(118.5,91.146) ; U11.6@200.7,114.15 200.7,114.05 200.75,114 203.35,114 J5.4@203.6,113.75 203.981,113.369 203.981,111.769 v1(204,111.75)
  Bottom Layer w0.5: v1(93.75,92.25) 94.25,91.75 101.973,91.75 102.57,91.153 v1(102.597,91.153) ; v1(118.5,91.146) 135.305,91.146 139.659,95.5 166.25,95.5 170.004,91.746 190.17,91.746 202.5,104.076 202.5,108 204,109.5 v1(204,111.75)
EXP_SW: C41.2 J5.5 MCU1.22 R39.2 | length 151.3
  Top Layer w0.254: v1(99.5,102.25) 101.014,102.25 MCU1.22@101.16,102.396 ; v1(107.883,123.66) 107.883,123.566 108.091,123.357 v1(108.091,121.195) ; v1(142.75,115) 142.822,115 143.072,115.25 155.25,115.25 159.242,119.242 171.77,119.242 171.919,119.093 171.919,117.823 172.523,117.219 186.227,117.219 187.758,118.75 188.016,119.008 188.016,119.316 188.239,119.539 189.405,119.539 189.628,119.316 189.628,119.227 190.122,118.733 R39.2@190.122,118.683 189.922,118.483 C41.2@189.922,116.683 189.9,116.661 J5.5@189.9,109.3
  Bottom Layer w0.254: v1(99.5,102.25) 99.414,102.25 99.178,102.014 94.045,102.014 92.588,103.472 91.142,104.917 91.142,105.515 90.157,106.5 88.666,106.5 86.977,104.811 86.413,104.811 86.014,105.21 86.014,106.296 88.226,108.508 90.232,108.508 94.966,113.242 96.61,113.242 102,118.632 102,120.75 103.823,122.573 105.323,122.573 106.41,123.66 v1(107.883,123.66) ; v1(108.091,121.195) 108.107,121.195 108.319,120.983 108.319,120.968 109.287,120 135.25,120 140.25,115 v1(142.75,115)